# KiCad board RS64c.kicad_pcb (continued)
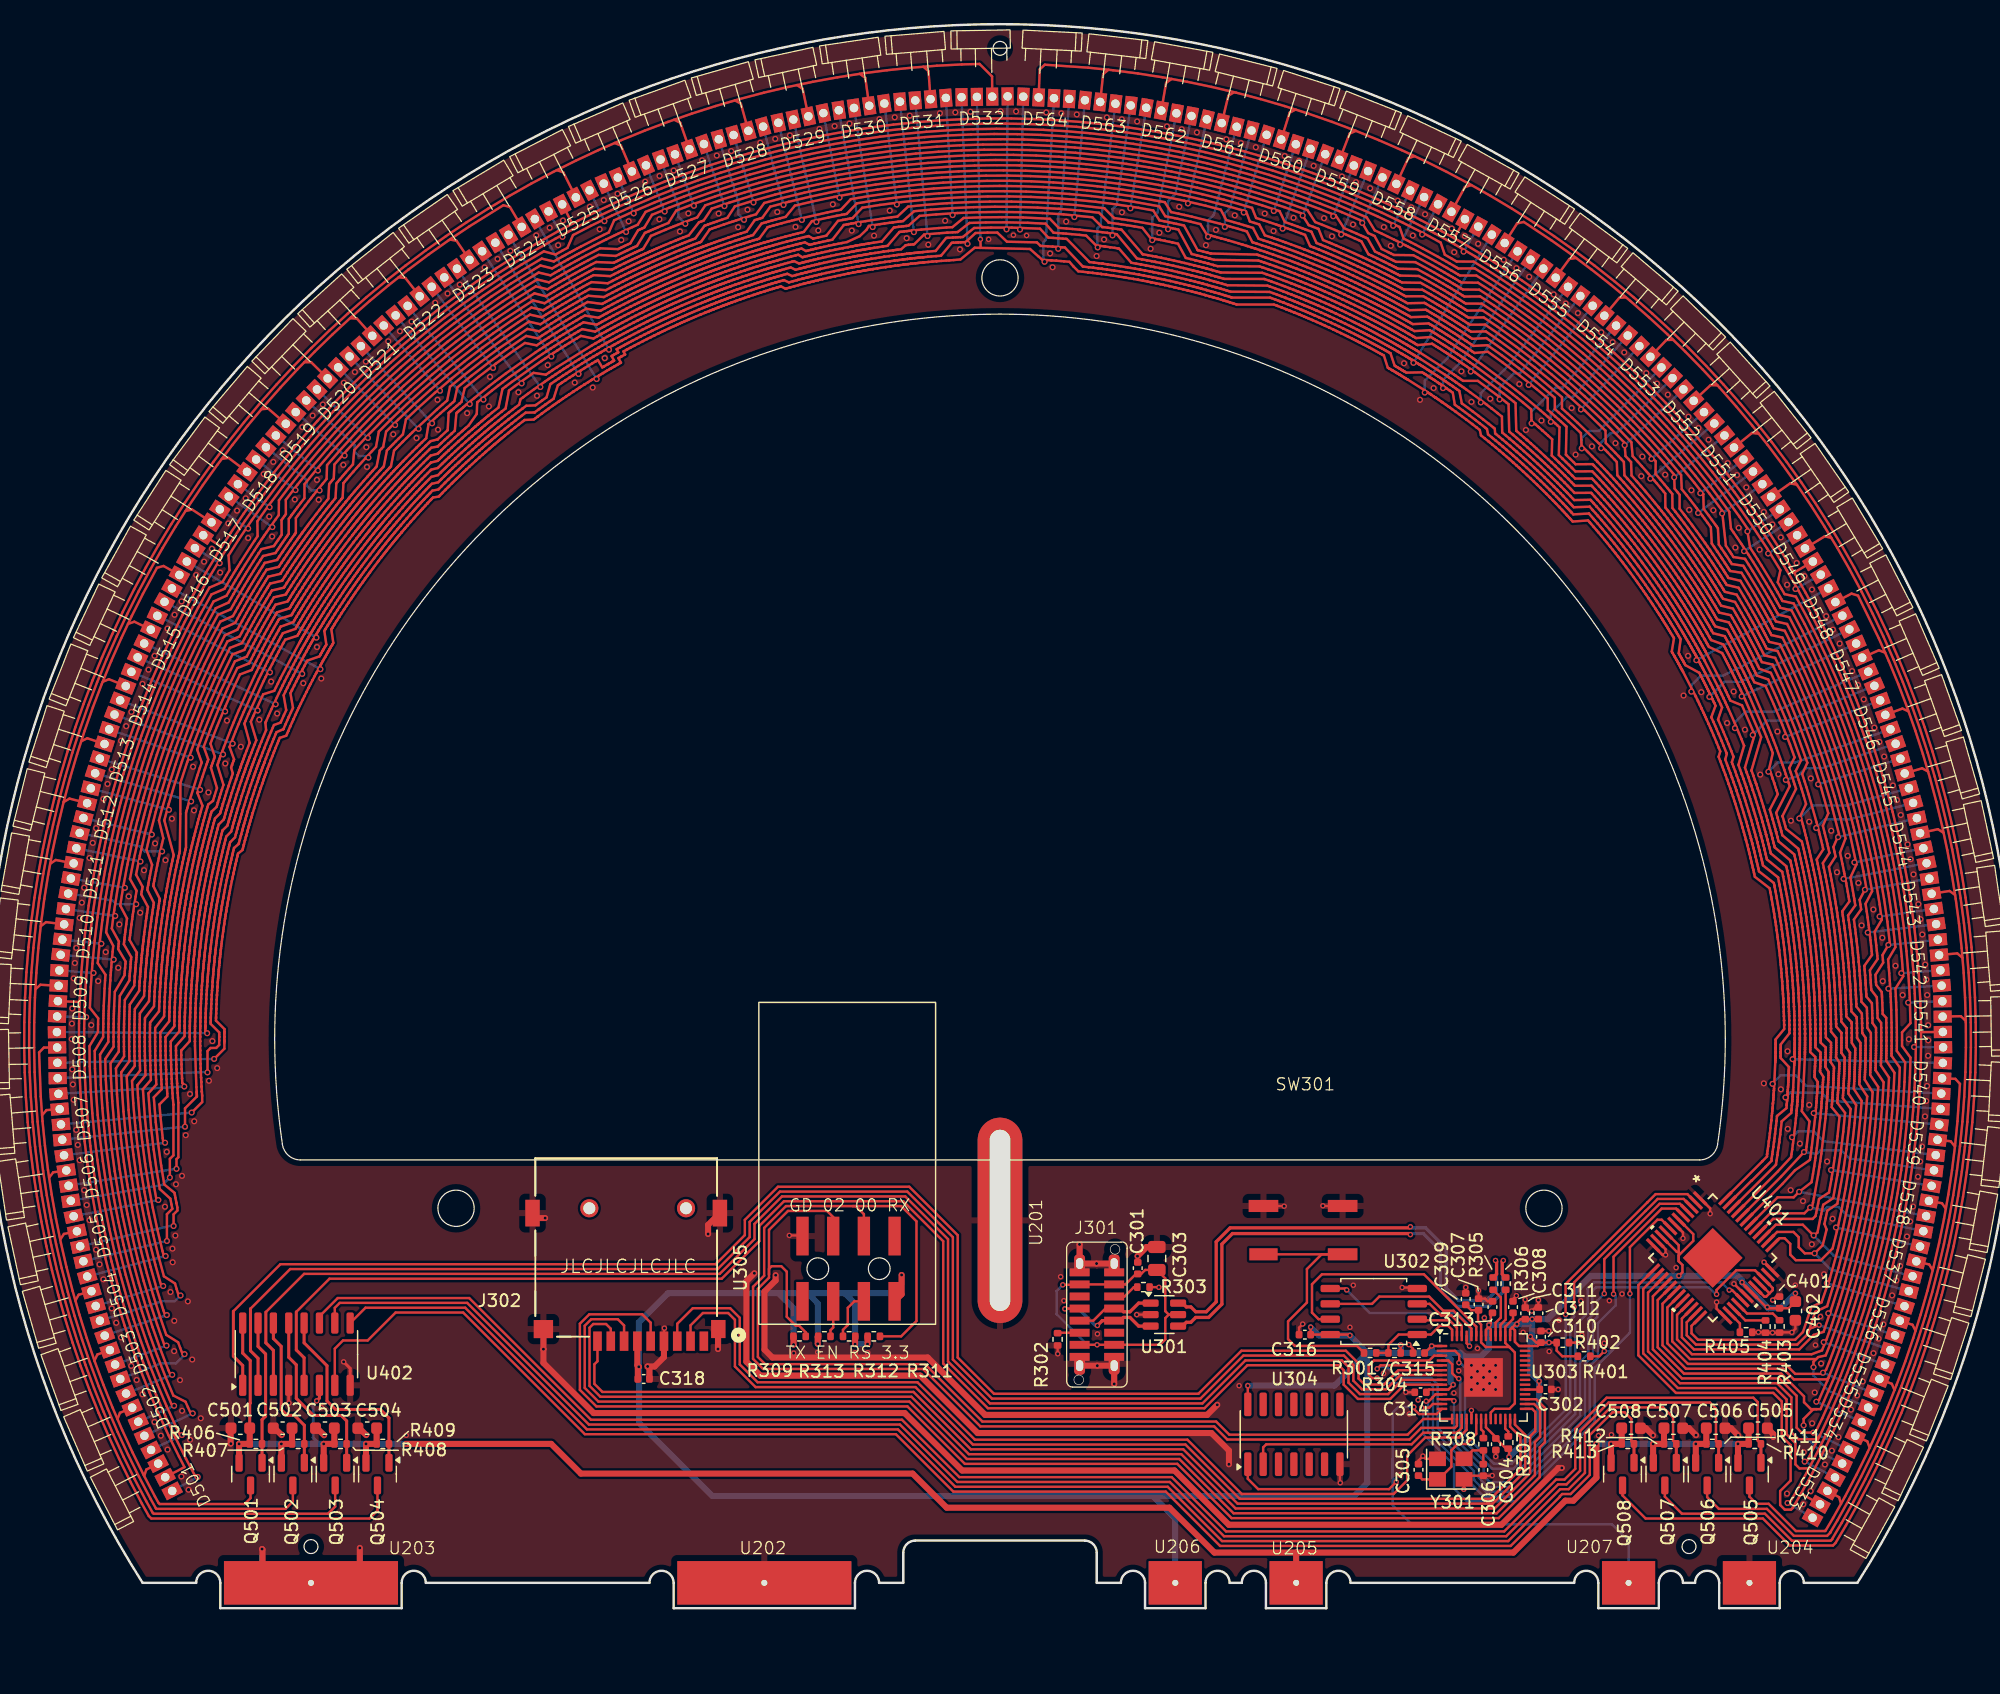
[diagram p0: board, top side]
## Routing (per net, layer and track width the routed paths; a pad name or vN(x,y) marks a point on that pad's centre or on a via; arc(x,y) is an arc through that point) (continued)
  Bottom w0.2: D544.3 v2(154.68,61.72) ; D536.3 v2(152.52,24.41) ; D512.3 v2(13.83,64.03) ; D552.3 v2(137.89,95.12) ; D504.3 v2(14.77,26.66) ; D520.3 v2(31.71,96.86) ; D560.3 v2(106.65,115.64) ; D528.3 v2(63.61,116.34)
LED_r03: length 16.6
  Top w0.25: U402.12 26.43,21.96 28.32,20.07 28.32,17.16 29.03,16.45 32.74,16.45 33.45,15.74 R409.2 Q504.1
LED_R04: length 335.3
  Top w0.2: 101.17,113.67 101.45,113.6 ; 101.45,113.6 101.53,113.58 101.79,113.51 101.92,113.47 102.26,113.38 102.31,113.37 102.68,113.26 102.88,113.21 102.91,113.2 103.36,113.07 103.71,112.96 103.96,112.89 104.09,112.85 104.36,112.76 104.46,112.73 104.75,112.64 104.84,112.62 105.05,112.55 105.13,112.52 105.51,112.4 105.89,112.27 106.11,112.2 106.25,112.15 106.56,112.04 106.62,112.02 106.98,111.89 107.15,111.83 107.2,111.82 107.64,111.66 108.01,111.52 108.21,111.44 108.37,111.39 108.66,111.28 108.73,111.25 109.03,111.13 109.09,111.11 109.3,111.03 109.39,110.99 109.73,110.85 109.76,110.84 110.12,110.7 110.29,110.62 110.33,110.61 110.48,110.54 110.64,110.48 110.76,110.43 110.83,110.4 111.01,110.32 111.19,110.25 111.33,110.19 111.39,110.16 111.76,110 111.81,109.97 112.12,109.84 112.2,109.8 112.36,109.73 112.48,109.67 112.55,109.64 112.84,109.51 112.9,109.48 113.2,109.34 113.24,109.32 113.44,109.23 113.54,109.18 113.85,109.03 113.89,109.01 114.23,108.84 114.38,108.77 114.5,108.71 114.6,108.66 114.85,108.54 114.94,108.5 115.04,108.44 115.2,108.36 115.27,108.33 115.39,108.27 115.54,108.19 115.73,108.09 115.89,108.01 116.07,107.91 116.24,107.82 116.42,107.73 116.59,107.63 116.77,107.54 116.94,107.44 117.11,107.35 117.3,107.25 117.46,107.16 117.58,107.09 117.65,107.05 117.81,106.96 117.9,106.91 118,106.85 119.35,106.9 119.5,106.81 119.68,106.7 119.82,106.61 120,106.51 120.16,106.41 120.33,106.31 120.49,106.21 120.66,106.11 120.82,106 120.98,105.9 121.15,105.8 121.31,105.69 121.48,105.58 121.64,105.48 121.82,105.37 121.97,105.27 122.15,105.15 122.3,105.05 122.49,104.93 122.63,104.83 122.83,104.7 122.96,104.61 123.16,104.47 124.33,104.53 125.5,103.69 126.94,102.61 128.35,101.49 129.9,100.18 129.9,99.24 130.2,98.97 130.5,98.7 130.68,98.54 131.04,98.22 131.5,97.79 132.06,97.25 v2(132.12,95.99) 132.16,96.16 132.62,95.7 132.71,95.61 132.97,95.36 132.99,95.33 133.27,95.05 133.41,94.9 133.43,94.88 133.76,94.54 134.01,94.27 134.19,94.08 134.28,93.99 134.48,93.77 134.55,93.7 134.75,93.48 134.81,93.41 134.97,93.24 135.02,93.18 135.29,92.88 135.55,92.59 135.71,92.41 135.8,92.3 136.02,92.05 136.06,92.01 136.31,91.71 136.43,91.58 136.46,91.54 136.76,91.18 137.01,90.87 137.15,90.71 137.26,90.58 137.45,90.34 137.5,90.27 137.7,90.03 137.74,89.98 137.88,89.8 137.94,89.72 138.17,89.44 138.19,89.41 138.42,89.11 138.54,88.96 138.57,88.92 138.67,88.79 138.85,88.55 138.9,88.49 139.13,88.18 139.22,88.06 139.26,88 139.53,87.63 139.78,87.29 139.88,87.14 140,86.98 140.19,86.72 140.22,86.67 140.41,86.4 140.44,86.36 140.57,86.17 140.63,86.08 140.82,85.8 140.85,85.76 141.06,85.44 141.16,85.31 141.23,85.19 141.29,85.1 141.44,84.87 141.5,84.79 141.56,84.69 141.66,84.55 141.7,84.47 141.77,84.37 141.87,84.22 141.98,84.04 142.08,83.89 142.19,83.71 142.29,83.55 142.4,83.38 142.5,83.21 142.6,83.05 142.71,82.87 142.81,82.71 142.92,82.53 143.01,82.37 143.08,82.25 143.12,82.18 143.22,82.02 143.27,81.93 143.33,81.83 144.3,81.59 144.42,81.38 144.52,81.2 144.6,81.05 144.71,80.87 144.79,80.72 144.89,80.53 144.98,80.38 145.07,80.2 145.16,80.04 145.25,79.86 145.34,79.69 145.44,79.52 145.53,79.34 145.62,79.17 145.71,78.99 145.8,78.83 145.89,78.64 145.97,78.48 146.07,78.28 146.15,78.12 146.25,77.92 146.33,77.77 146.43,77.56 146.5,77.41 146.61,77.19 147.55,76.87 148.24,75.34 148.95,73.69 149.61,72.01 150.26,70.19 149.83,69.29 149.95,68.91 150.08,68.52 150.15,68.3 150.3,67.84 150.48,67.23 150.68,66.55 v2(150.12,65.36) 150.28,65.37 150.41,64.87 150.45,64.74 150.54,64.4 150.55,64.36 150.65,63.97 150.7,63.78 150.7,63.75 150.82,63.29 150.9,62.93 150.96,62.68 150.99,62.55 151.06,62.27 151.08,62.17 151.14,61.87 151.16,61.79 151.21,61.56 151.23,61.48 151.31,61.09 151.39,60.7 151.44,60.47 151.46,60.33 151.53,60 151.54,59.95 151.61,59.56 151.64,59.39 151.65,59.34 151.73,58.88 151.8,58.49 151.84,58.27 151.86,58.11 151.91,57.81 151.92,57.72 151.97,57.41 151.98,57.35 152.02,57.12 152.03,57.02 152.08,56.67 152.09,56.64 152.14,56.25 152.16,56.07 152.17,56.02 152.19,55.86 152.23,55.56 152.24,55.48 152.28,55.1 152.3,54.95 152.31,54.88 152.36,54.42 152.4,54 152.42,53.82 152.44,53.62 152.47,53.3 152.47,53.24 152.5,52.91 152.51,52.86 152.53,52.64 152.54,52.52 152.56,52.19 152.56,52.14 152.59,51.76 152.6,51.6 152.61,51.46 152.62,51.35 152.63,51.07 152.64,50.98 152.66,50.69 152.66,50.6 152.67,50.47 152.68,50.3 152.69,49.93 152.69,49.9 152.71,49.51 152.71,49.34 152.72,49.11 152.73,48.75 152.73,48.71 152.74,48.37 152.74,48.31 152.74,47.98 152.74,47.9 152.75,47.73 153.18,47.19 153.18,47.02 153.18,46.95 153.18,46.8 153.18,46.57 153.18,46.4 153.18,46.36 153.17,46.19 153.17,45.98 153.17,45.81 153.16,45.59 153.44,45.17 153.43,45.03 153.43,44.83 153.42,44.64 153.41,44.44 153.41,44.24 153.4,44.05 153.39,43.85 153.38,43.66 153.37,43.45 153.36,43.27 153.35,43.05 153.34,42.88 153.32,42.65 153.31,42.48 153.29,42.25 153.28,42.08 153.27,41.84 153.91,40.99 153.76,39.42 153.54,37.64 153.27,35.85 152.93,33.94 152.1,33.39 152.02,32.99 151.93,32.6 151.88,32.37 151.84,32.17 151.62,31.09 v2(151.31,30.85) 151.3,30.85 150.41,31.74 148.18,31.74 U401.39 ; 101.45,113.6 v2(101.22,113.5) 100.57,114.55 99.78,114.75 99.16,114.89 98.69,114.99 98.46,115.04 98.06,115.13 97.67,115.21 97.17,116.02 95.13,116.39 93.34,116.66 91.55,116.87 89.76,117.04 87.96,117.17 86.16,117.25 84.36,117.28 82.56,117.27 80.76,117.21 78.96,117.1 77.17,116.95 75.38,116.75 73.59,116.5 72.15,116.27 71.32,115.4 71.14,115.36 70.92,115.32 70.52,115.24 70.44,115.23 69.82,115.1 68.44,114.8 67.77,113.91 67.65,113.88 67.3,113.79 67.27,113.78 67.05,113.73 66.88,113.68 66.66,113.63 66.27,113.53 66.2,113.51 65.86,113.41 65.59,113.34 65.48,113.31 65.27,113.25 65.19,113.23 65.1,113.2 64.89,113.14 64.72,113.09 64.6,113.06 64.5,113.03 64.41,113 64.21,112.94 64.03,112.89 63.82,112.82 63.65,112.77 63.43,112.7 63.3,112.66 63.05,112.58 62.93,112.54 62.76,112.49 62.72,112.47 62.56,112.42 62.35,112.35 62,112.23 61.9,112.2 61.61,112.1 61.54,112.08 61.32,112 61.17,111.95 60.97,111.88 60.8,111.82 60.6,111.75 60.44,111.69 60.3,111.64 60.23,111.61 60.13,111.57 60.04,111.54 59.87,111.48 59.76,111.44 59.66,111.4 59.55,111.36 59.4,111.3 59.23,111.23 59.19,111.22 59.04,111.16 58.91,111.11 58.75,111.05 58.68,111.02 58.54,110.96 58.48,110.94 58.33,110.88 58.17,110.81 58.13,110.8 57.81,110.67 57.7,110.62 57.31,110.46 57.14,110.39 56.96,110.31 56.77,110.23 56.61,110.16 56.42,110.07 56.26,110.01 56.11,109.94 55.95,109.87 55.76,109.78 55.59,109.71 55.4,109.62 55.25,109.55 55.11,109.48 55.05,109.46 54.89,109.38 54.7,109.29 54.55,109.22 54.43,109.16 54.36,109.13 54.21,109.06 54.08,109 54.01,108.97 53.73,108.83 53.61,108.77 53.41,108.67 53.39,108.66 53.08,108.5 53.04,108.48 52.74,108.33 52.69,108.31 52.34,108.13 51.99,107.94 51.88,107.89 51.64,107.76 51.55,107.71 51.36,107.61 51.22,107.53 51.03,107.43 50.93,107.37 49.77,107.55 49.44,107.36 49.11,107.17 48.78,106.97 48.45,106.78 48.12,106.58 47.78,106.38 47.45,106.17 47.12,105.96 46.78,105.75 46.45,105.54 46.11,105.32 45.77,105.1 44.8,105.3 43.15,104.16 41.7,103.1 40.27,101.99 39.11,101.04 38.86,99.9 38.72,99.78 38.55,99.63 38.24,99.36 38.18,99.31 38.01,99.16 37.7,98.89 37.4,98.62 36.72,97.99 36.53,96.83 36.44,96.75 36.18,96.49 36.16,96.47 36,96.32 35.87,96.19 35.71,96.04 35.43,95.75 35.37,95.7 35.12,95.45 34.93,95.25 34.84,95.17 34.69,95.01 34.64,94.95 34.57,94.88 34.42,94.73 34.3,94.6 34.21,94.51 34.14,94.44 34.08,94.37 33.93,94.21 33.8,94.08 33.65,93.91 33.53,93.79 33.38,93.62 33.29,93.52 33.11,93.32 33.02,93.23 32.88,93.07 32.76,92.94 32.61,92.77 32.35,92.48 32.3,92.42 32.05,92.13 31.9,91.96 31.79,91.83 31.66,91.67 31.54,91.54 31.4,91.37 31.28,91.23 31.2,91.13 31.15,91.07 31.08,90.99 31.02,90.91 30.91,90.78 30.83,90.68 30.76,90.6 30.69,90.51 30.58,90.38 30.47,90.25 30.44,90.21 30.35,90.09 30.26,89.98 30.15,89.84 30.11,89.79 30.01,89.66 29.97,89.62 29.87,89.48 29.77,89.35 29.74,89.31 29.53,89.04 29.46,88.95 29.2,88.62 29.09,88.47 28.97,88.31 28.84,88.14 28.74,88 28.62,87.83 28.52,87.7 28.42,87.57 28.31,87.42 28.19,87.25 28.09,87.11 27.96,86.93 27.87,86.79 27.78,86.67 27.74,86.61 27.64,86.47 27.52,86.3 27.42,86.16 27.35,86.05 27.3,85.99 27.21,85.85 27.13,85.73 27.09,85.67 26.92,85.41 26.84,85.3 26.72,85.12 26.7,85.09 26.51,84.8 26.49,84.77 26.3,84.48 26.27,84.44 26.09,84.16 26.06,84.11 25.89,83.84 25.85,83.77 25.78,83.67 25.68,83.51 25.64,83.44 25.58,83.35 25.47,83.17 25.39,83.03 25.27,82.85 25.22,82.75 24.18,82.42 24.12,82.32 24.05,82.19 23.93,81.99 23.84,81.84 23.74,81.66 23.64,81.48 23.55,81.33 23.37,81 23.18,80.66 22.99,80.32 22.8,79.97 22.62,79.62 22.43,79.27 22.25,78.92 22.07,78.56 21.89,78.2 20.91,77.81 20.08,76.08 19.36,74.43 18.68,72.76 18.13,71.3 18.5,70.24 18.44,70.07 18.37,69.85 18.23,69.47 18.21,69.4 18.01,68.79 17.6,67.49 18.02,66.42 17.99,66.3 17.89,65.95 17.88,65.92 17.82,65.71 17.77,65.54 17.71,65.32 17.63,65.03 17.58,64.86 17.53,64.64 17.49,64.52 17.42,64.25 17.39,64.13 17.34,63.93 17.3,63.75 17.24,63.54 17.2,63.37 17.17,63.25 17.15,63.15 17.13,63.06 17.08,62.85 17.04,62.67 16.99,62.45 16.95,62.28 16.9,62.06 16.87,61.93 16.82,61.7 16.78,61.55 16.74,61.33 16.7,61.16 16.66,60.95 16.58,60.56 16.57,60.49 16.49,60.11 16.45,59.88 16.42,59.72 16.38,59.52 16.35,59.34 16.31,59.13 16.28,58.96 16.26,58.82 16.24,58.75 16.22,58.63 16.19,58.42 16.16,58.25 16.12,58.03 16.1,57.86 16.07,57.69 16.06,57.64 16.04,57.49 16,57.25 15.98,57.11 15.95,56.89 15.93,56.73 15.9,56.56 15.9,56.51 15.84,56.13 15.84,56.06 15.78,55.64 15.76,55.45 15.74,55.26 15.71,55.05 15.69,54.88 15.67,54.67 15.65,54.5 15.63,54.34 15.61,54.16 15.59,53.95 15.57,53.77 15.55,53.56 15.54,53.39 15.52,53.24 15.52,53.17 15.5,53 15.49,52.79 15.47,52.63 15.46,52.49 15.46,52.42 15.44,52.25 15.43,52.11 15.43,52.04 15.41,51.73 15.4,51.59 15.38,51.34 15.36,50.99 15.36,50.95 15.34,50.56 15.32,50.17 15.3,49.77 15.3,49.65 15.29,49.37 15.28,49.27 15.28,49.06 15.27,48.9 15.27,48.68 15.27,48.57 14.54,47.65 14.53,47.27 14.53,46.89 14.54,46.51 14.54,46.12 14.55,45.74 14.56,45.35 14.57,44.96 14.58,44.56 14.6,44.17 14.61,43.77 14.63,43.37 14.66,42.96 13.99,42.28 14.16,40.22 14.36,38.43 14.6,36.65 14.86,35.07 15.71,34.38 15.74,34.2 15.79,33.97 15.86,33.57 15.88,33.5 15.95,33.16 15.95,32.91 15.63,32.6 v2(15.63,31.63)
  Bottom w0.2: D561.3 101.69,115.33 101.22,114.86 v2(101.22,113.5) ; D537.3 152.97,29.17 152.97,29.19 v2(151.31,30.85) ; v2(132.12,95.99) 132.12,96.82 132.73,97.43 133.54,97.43 D553.3 ; D521.3 v2(37.02,98.06) ; D505.3 15.76,31.73 15.73,31.73 v2(15.63,31.63) ; D545.3 154.01,66.44 151.22,66.44 150.14,65.36 v2(150.12,65.36) ; D529.3 v2(68.81,114.73) ; D513.3 v2(17.83,67.73)
LED_r04: length 140
  Top w0.2: U402.11 27.7,24.16 29.21,25.67 40.09,25.67 50.16,15.6 75.89,15.6 80.64,10.85 98.21,10.85 102.7,6.36 125.71,6.36 130.01,10.65 130.7,10.65 131.59,11.54 131.59,14.83 134.18,17.42 146.32,17.42 146.68,17.06 146.68,13.87 R410.2
  Top w0.25: R410.2 Q505.1
LED_R05: length 331.5
  Top w0.2: 96.51,113.39 96.82,113.33 ; 96.82,113.33 96.89,113.32 97.15,113.27 97.28,113.24 97.62,113.17 97.66,113.16 98.04,113.08 98.27,113.03 98.72,112.93 99.37,111.75 99.75,111.66 100.14,111.56 100.22,111.55 100.52,111.47 100.6,111.45 100.83,111.39 100.98,111.35 101.22,111.29 101.32,111.26 101.61,111.18 101.7,111.16 102,111.07 105.48,111.05 105.69,110.98 105.83,110.93 106.14,110.82 106.19,110.81 106.55,110.68 106.72,110.62 106.76,110.6 107.2,110.45 107.56,110.31 107.76,110.24 107.91,110.18 108.19,110.07 108.27,110.04 108.56,109.93 108.62,109.91 108.83,109.83 108.92,109.79 109.01,109.75 109.25,109.66 109.39,109.6 109.63,109.5 109.8,109.43 109.84,109.42 109.99,109.35 110.14,109.29 110.26,109.24 110.33,109.21 110.51,109.13 110.68,109.06 110.81,109 110.88,108.97 111.23,108.82 111.29,108.79 111.59,108.66 111.67,108.62 111.83,108.55 111.95,108.5 112.01,108.47 112.3,108.34 112.35,108.31 112.65,108.17 112.69,108.16 112.88,108.06 112.99,108.01 113.29,107.87 113.33,107.85 113.67,107.69 113.81,107.62 113.93,107.56 114.03,107.51 114.27,107.39 114.36,107.34 114.46,107.29 114.61,107.22 114.69,107.18 114.8,107.12 114.95,107.04 115.14,106.94 115.29,106.86 115.47,106.77 115.64,106.68 115.81,106.59 115.98,106.5 116.15,106.41 116.33,106.31 116.49,106.22 116.67,106.12 116.83,106.03 116.95,105.97 117.02,105.93 117.17,105.84 117.27,105.79 117.37,105.73 117.52,105.64 117.58,105.61 117.72,105.53 117.86,105.45 118.07,105.33 118.21,105.24 118.33,105.17 118.42,105.12 119.65,105.21 119.81,105.11 119.97,105.01 120.13,104.91 120.3,104.81 120.46,104.71 120.62,104.61 120.79,104.5 120.94,104.4 121.12,104.29 121.26,104.19 121.44,104.07 121.59,103.98 121.77,103.85 121.91,103.76 122.1,103.63 122.24,103.54 122.44,103.41 122.57,103.32 122.77,103.18 122.89,103.09 123.1,102.95 123.22,102.86 123.55,102.63 125.9,100.88 126.4,100.48 126.78,100.18 127.27,99.78 127.94,99.22 v2(127.98,98.06) 128.28,97.99 ; 96.82,113.33 v2(96.59,113.22) 95.78,114.25 95.12,114.36 94.49,114.46 94.02,114.54 93.78,114.57 93.38,114.63 92.98,114.68 92.98,114.7 92.19,115.49 90.64,115.67 88.88,115.82 87.12,115.92 85.35,115.98 83.58,115.99 81.81,115.96 80.05,115.88 78.28,115.75 76.89,115.62 75.97,114.8 75.79,114.78 75.57,114.75 75.16,114.7 75.09,114.69 74.86,114.66 74.45,114.6 74.05,114.55 73.15,114.4 72.95,114.09 72.4,113.55 71.34,113.07 70.96,112.99 70.89,112.98 70.62,112.92 70.28,112.85 70.22,112.84 69.82,112.76 69.43,112.67 69.13,112.6 68.74,112.51 68.53,112.47 68.34,112.42 68.14,112.37 68.03,112.34 67.95,112.32 67.58,112.53 67.37,112.48 67.2,112.44 66.99,112.38 66.61,112.28 66.54,112.26 66.2,112.17 65.94,112.1 65.82,112.07 65.62,112.01 65.45,111.96 65.25,111.9 65.08,111.85 64.96,111.82 64.87,111.79 64.78,111.76 64.58,111.7 64.41,111.65 64.2,111.59 64.03,111.54 63.82,111.47 63.69,111.43 63.44,111.35 63.33,111.31 63.16,111.26 63.12,111.25 62.96,111.2 62.75,111.13 62.41,111.01 62.32,110.98 62.03,110.88 61.96,110.86 61.75,110.78 61.6,110.73 61.4,110.66 61.24,110.6 61.04,110.53 60.88,110.48 60.75,110.43 60.68,110.4 60.49,110.33 60.32,110.27 60.21,110.23 60.12,110.19 60.01,110.15 59.86,110.09 59.7,110.03 59.65,110.01 59.51,109.96 59.38,109.91 59.22,109.85 59.16,109.82 59.02,109.76 58.96,109.74 58.81,109.68 58.66,109.62 58.61,109.6 58.3,109.47 58.19,109.43 57.81,109.27 57.64,109.2 57.47,109.12 57.28,109.04 57.12,108.98 56.93,108.89 56.78,108.83 56.64,108.76 56.47,108.69 56.29,108.6 56.13,108.53 55.93,108.44 55.78,108.38 55.65,108.31 55.59,108.29 55.44,108.21 55.25,108.13 55.1,108.06 54.98,108 54.91,107.97 54.77,107.9 54.64,107.84 54.58,107.81 54.3,107.67 54.18,107.61 53.99,107.52 53.96,107.5 53.66,107.35 53.62,107.33 53.32,107.18 53.28,107.16 52.93,106.98 52.59,106.8 52.48,106.74 52.24,106.62 52.16,106.57 51.98,106.47 51.83,106.4 51.65,106.3 51.55,106.24 51.32,106.12 51.2,106.05 51.08,105.98 50.85,105.86 50.76,105.8 50.5,105.66 49.43,105.86 49.11,105.67 48.78,105.48 48.46,105.28 48.13,105.08 47.8,104.87 47.47,104.66 47.14,104.45 46.81,104.24 46.48,104.02 46.15,103.8 45.82,103.58 43.37,101.84 42.86,101.46 42.48,101.17 41.97,100.78 40.79,99.83 40.75,99.8 40.71,98.84 40.04,97.89 39.83,97.7 39.7,97.59 39.53,97.44 39.49,97.41 39.23,97.18 39.19,97.13 38.94,96.91 38.88,96.86 38.59,96.59 38.36,96.38 38.06,96.11 37.91,95.96 37.77,95.83 37.62,95.69 37.54,95.61 37.48,95.55 36.9,95.39 36.77,95.27 36.62,95.12 36.34,94.84 36.29,94.79 36.04,94.54 35.85,94.35 35.77,94.26 35.62,94.11 35.5,93.99 35.35,93.83 35.23,93.71 35.14,93.62 35.08,93.55 35.01,93.48 34.87,93.33 34.74,93.2 34.6,93.04 34.48,92.91 34.33,92.75 34.24,92.65 34.06,92.46 33.98,92.36 33.83,92.2 33.72,92.08 33.58,91.92 33.32,91.63 33.27,91.57 33.06,91.32 33.02,91.28 32.88,91.11 32.77,90.99 32.64,90.84 32.53,90.7 32.39,90.54 32.27,90.4 32.19,90.31 32.14,90.25 32.07,90.16 32.01,90.09 31.9,89.96 31.83,89.87 31.76,89.78 31.69,89.7 31.59,89.57 31.48,89.44 31.45,89.4 31.35,89.28 31.27,89.17 31.16,89.04 31.12,88.99 31.02,88.87 30.99,88.82 30.89,88.69 30.78,88.56 30.75,88.52 30.55,88.26 30.48,88.17 30.23,87.84 30.12,87.69 30,87.54 29.88,87.37 29.78,87.24 29.66,87.07 29.56,86.94 29.46,86.81 29.36,86.66 29.24,86.5 29.14,86.35 29.01,86.18 28.92,86.05 28.83,85.93 28.79,85.87 28.7,85.73 28.58,85.56 28.49,85.43 28.41,85.32 28.37,85.26 28.28,85.12 28.2,85.01 28.16,84.95 27.99,84.7 27.91,84.58 27.79,84.41 27.78,84.38 27.59,84.09 27.57,84.06 27.38,83.78 27.36,83.74 27.18,83.47 27.15,83.41 26.98,83.15 26.94,83.09 26.87,82.98 26.78,82.83 26.73,82.76 26.68,82.67 26.57,82.5 26.49,82.36 26.38,82.18 26.32,82.08 26.18,81.85 26.11,81.74 26.04,81.62 25.98,81.51 25.91,81.4 25.85,81.3 25.78,81.17 25.71,81.05 24.68,80.7 24.56,80.5 24.49,80.37 24.37,80.14 24.31,80.03 24.12,79.7 23.94,79.36 23.76,79.02 23.58,78.68 23.4,78.33 23.22,77.98 23.04,77.62 22.86,77.27 22.69,76.91 21.43,74.18 21.18,73.6 21,73.15 20.76,72.56 20.26,71.28 20.64,70.25 20.6,70.15 20.53,69.95 20.46,69.78 20.39,69.57 20.53,69.09 20.41,68.73 20.38,68.66 20.3,68.4 20.19,68.07 20.17,68.01 20.04,67.62 19.92,67.24 19.83,66.95 19.71,66.56 19.65,66.36 19.59,66.17 19.54,65.98 19.5,65.86 19.48,65.78 19.06,65.36 19.01,65.19 18.95,64.98 18.88,64.7 18.83,64.53 18.77,64.31 18.74,64.19 18.67,63.93 18.64,63.82 18.59,63.61 18.55,63.44 18.5,63.23 18.46,63.07 18.43,62.94 18.4,62.85 18.38,62.76 18.33,62.55 18.29,62.38 18.24,62.17 18.21,62 18.16,61.78 18.13,61.65 18.08,61.43 18.05,61.27 18,61.06 17.97,60.9 17.92,60.69 17.85,60.31 17.83,60.24 17.76,59.86 17.72,59.64 17.69,59.49 17.65,59.28 17.62,59.11 17.58,58.91 17.55,58.74 17.53,58.6 17.51,58.53 17.5,58.42 17.46,58.21 17.43,58.04 17.4,57.83 17.37,57.66 17.34,57.49 17.34,57.44 17.31,57.29 17.28,57.06 17.26,56.92 17.23,56.71 17.2,56.55 17.18,56.39 17.17,56.34 17.12,55.96 17.11,55.89 17.06,55.48 17.04,55.3 17.02,55.11 16.99,54.9 16.97,54.73 16.95,54.53 16.93,54.37 16.91,54.21 16.9,54.03 16.88,53.82 16.86,53.65 16.84,53.44 16.82,53.27 16.81,53.13 16.8,53.06 16.79,52.89 16.77,52.68 16.76,52.52 16.75,52.39 16.74,52.32 16.73,52.15 16.72,52.01 16.71,51.94 16.69,51.64 16.68,51.5 16.67,51.26 16.65,50.92 16.65,50.88 16.63,50.5 16.61,50.11 16.59,49.72 16.59,49.6 16.58,49.33 16.57,49.23 16.57,49.02 16.56,48.86 16.56,48.65 16.55,48.54 16.55,48.28 16.55,48.14 16.55,48 16.54,47.74 16.54,47.63 16.54,47.34 15.83,46.52 15.83,46.14 15.84,45.76 15.85,45.38 15.86,44.99 15.87,44.61 15.89,44.22 15.9,43.83 15.92,43.44 15.95,43.04 15.97,42.64 16,42.24 16.03,41.84 16.03,37.32 15.87,37.17 v2(15.87,36.36) ; 128.28,97.99 128.48,97.82 128.58,97.73 128.84,97.5 128.87,97.47 129.16,97.21 129.33,97.06 129.68,96.74 129.65,95.4 129.93,95.12 130.22,94.85 130.28,94.79 130.5,94.58 130.56,94.52 130.73,94.35 130.84,94.24 131.01,94.07 131.09,93.99 131.3,93.78 131.36,93.72 131.58,93.49 132.97,93.49 133.07,93.39 133.25,93.2 133.34,93.11 133.53,92.9 133.6,92.82 133.8,92.61 133.86,92.54 134.01,92.37 134.06,92.31 134.33,92.02 134.58,91.73 134.73,91.56 134.83,91.45 135.04,91.21 135.08,91.16 135.33,90.87 135.44,90.74 135.48,90.7 135.77,90.35 136.02,90.05 136.15,89.89 136.26,89.76 136.45,89.53 136.5,89.46 136.69,89.22 136.73,89.17 136.87,89 136.93,88.92 137.15,88.64 137.17,88.62 137.4,88.32 137.52,88.17 137.54,88.14 137.64,88.01 137.82,87.77 137.87,87.71 138.09,87.41 138.18,87.29 138.22,87.23 138.49,86.87 138.74,86.53 138.84,86.39 138.95,86.23 139.13,85.97 139.17,85.92 139.35,85.66 139.38,85.62 139.5,85.44 139.57,85.35 139.76,85.07 139.78,85.03 139.99,84.72 140.08,84.59 140.16,84.48 140.22,84.39 140.37,84.16 140.42,84.08 140.48,83.98 140.57,83.84 140.62,83.77 140.69,83.67 140.78,83.52 140.89,83.35 140.99,83.2 141.1,83.03 141.2,82.87 141.3,82.7 141.4,82.54 141.5,82.37 141.61,82.2 141.71,82.04 141.81,81.86 141.91,81.71 141.97,81.6 142.02,81.52 142.11,81.37 142.16,81.28 142.22,81.18 142.31,81.03 142.35,80.96 142.42,80.83 142.51,80.68 142.62,80.48 142.7,80.34 142.77,80.21 142.82,80.13 143.84,79.76 143.94,79.58 144.02,79.42 144.12,79.25 144.21,79.09 144.29,78.92 144.39,78.74 144.47,78.58 144.56,78.4 144.65,78.24 144.74,78.05 144.82,77.9 144.92,77.7 145,77.55 145.1,77.35 145.17,77.2 145.27,76.99 145.34,76.85 145.45,76.63 145.51,76.49 145.62,76.27 145.68,76.13 145.79,75.9 145.85,75.77 146.02,75.4 147.18,72.71 147.42,72.12 147.59,71.67 147.82,71.07 147.93,70.77 v2(147.57,69.23) 147.75,69.17 147.8,69.02 147.88,68.77 147.93,68.65 148.04,68.31 148.05,68.27 148.17,67.9 148.24,67.69 148.34,67.37 147.68,66.09 147.8,65.71 147.91,65.33 147.93,65.25 148.01,64.95 148.03,64.87 148.1,64.65 148.14,64.5 148.2,64.26 148.23,64.15 148.31,63.86 148.33,63.78 148.41,63.47 149.7,62.39 149.73,62.26 149.8,61.98 149.82,61.88 149.88,61.6 149.9,61.51 149.95,61.29 149.97,61.21 150.05,60.83 150.13,60.45 150.17,60.22 150.2,60.08 150.26,59.76 150.27,59.71 150.34,59.33 150.37,59.16 150.38,59.11 150.46,58.66 150.53,58.28 150.56,58.06 150.59,57.9 150.64,57.61 150.65,57.53 150.7,57.22 150.71,57.15 150.74,56.93 150.75,56.84 150.8,56.49 150.81,56.46 150.86,56.08 150.88,55.9 150.89,55.86 150.91,55.69 150.95,55.4 150.96,55.32 151,54.95 151.02,54.8 151.03,54.73 151.08,54.28 151.12,53.87 151.14,53.7 151.16,53.5 151.18,53.18 151.19,53.12 151.22,52.8 151.22,52.76 151.24,52.54 151.25,52.42 151.27,52.09 151.28,52.05 151.3,51.67 151.32,51.51 151.32,51.38 151.33,51.27 151.35,51 151.35,50.9 151.37,50.62 151.37,50.54 151.38,50.41 151.39,50.24 151.4,49.88 151.4,49.85 151.42,49.46 151.42,49.3 151.43,49.07 151.44,48.72 151.44,48.68 151.45,48.34 151.45,48.29 151.45,47.96 151.45,47.89 151.46,47.6 151.46,47.49 151.46,47.24 151.46,47.09 151.46,46.95 151.46,46.8 151.46,46.68 151.46,46.58 151.46,46.42 151.88,46 151.88,45.83 151.87,45.62 151.87,45.45 151.86,45.26 151.86,45.07 151.85,44.88 151.85,44.82 151.85,44.69 151.84,44.5 151.84,44.41 152.1,43.99 152.1,43.91 152.09,43.73 152.08,43.52 152.07,43.34 152.06,43.13 152.05,42.96 152.03,42.73 152.02,42.57 152.01,42.34 152,42.17 151.98,41.94 151.97,41.78 151.95,41.54 151.93,41.38 151.91,41.13 151.9,40.99 151.86,40.59 151.58,38.08 151.52,37.67 151.46,37.27 151.43,37.04 151.36,36.56 151.25,35.94 151.13,35.26 v2(150.11,34.47) 149.65,34.01 148.32,34.01 U401.42 ; 128.28,97.99 127.99,98.24
  Bottom w0.2: v2(127.98,98.06) 127.98,99.04 129.95,101.01 130.53,101.01 D554.3 ; D562.3 97.03,115.51 96.59,115.07 v2(96.59,113.22) ; v2(15.87,36.36) 15.78,36.36 D506.3 ; D538.3 v2(150.11,34.47) ; D522.3 v2(41.26,100.03) ; v2(147.57,69.23) 148.33,69.99 149.76,69.99 D546.3 ; D514.3 v2(20.52,71.55) ; D530.3 v2(73.47,114.3)
